# Altium PCB RaspberryHatBoard.PcbDoc
Units mm, origin at the board's own origin, x right, y up, seen from the top; angles counter-clockwise.
Board outline 85 x 56 mm, 4 copper layers (Top Layer, Layer 1, Layer 2, Bottom Layer), stack 1.272 mm thick; 1 components, 0 nets, 48 pads, 0 vias.
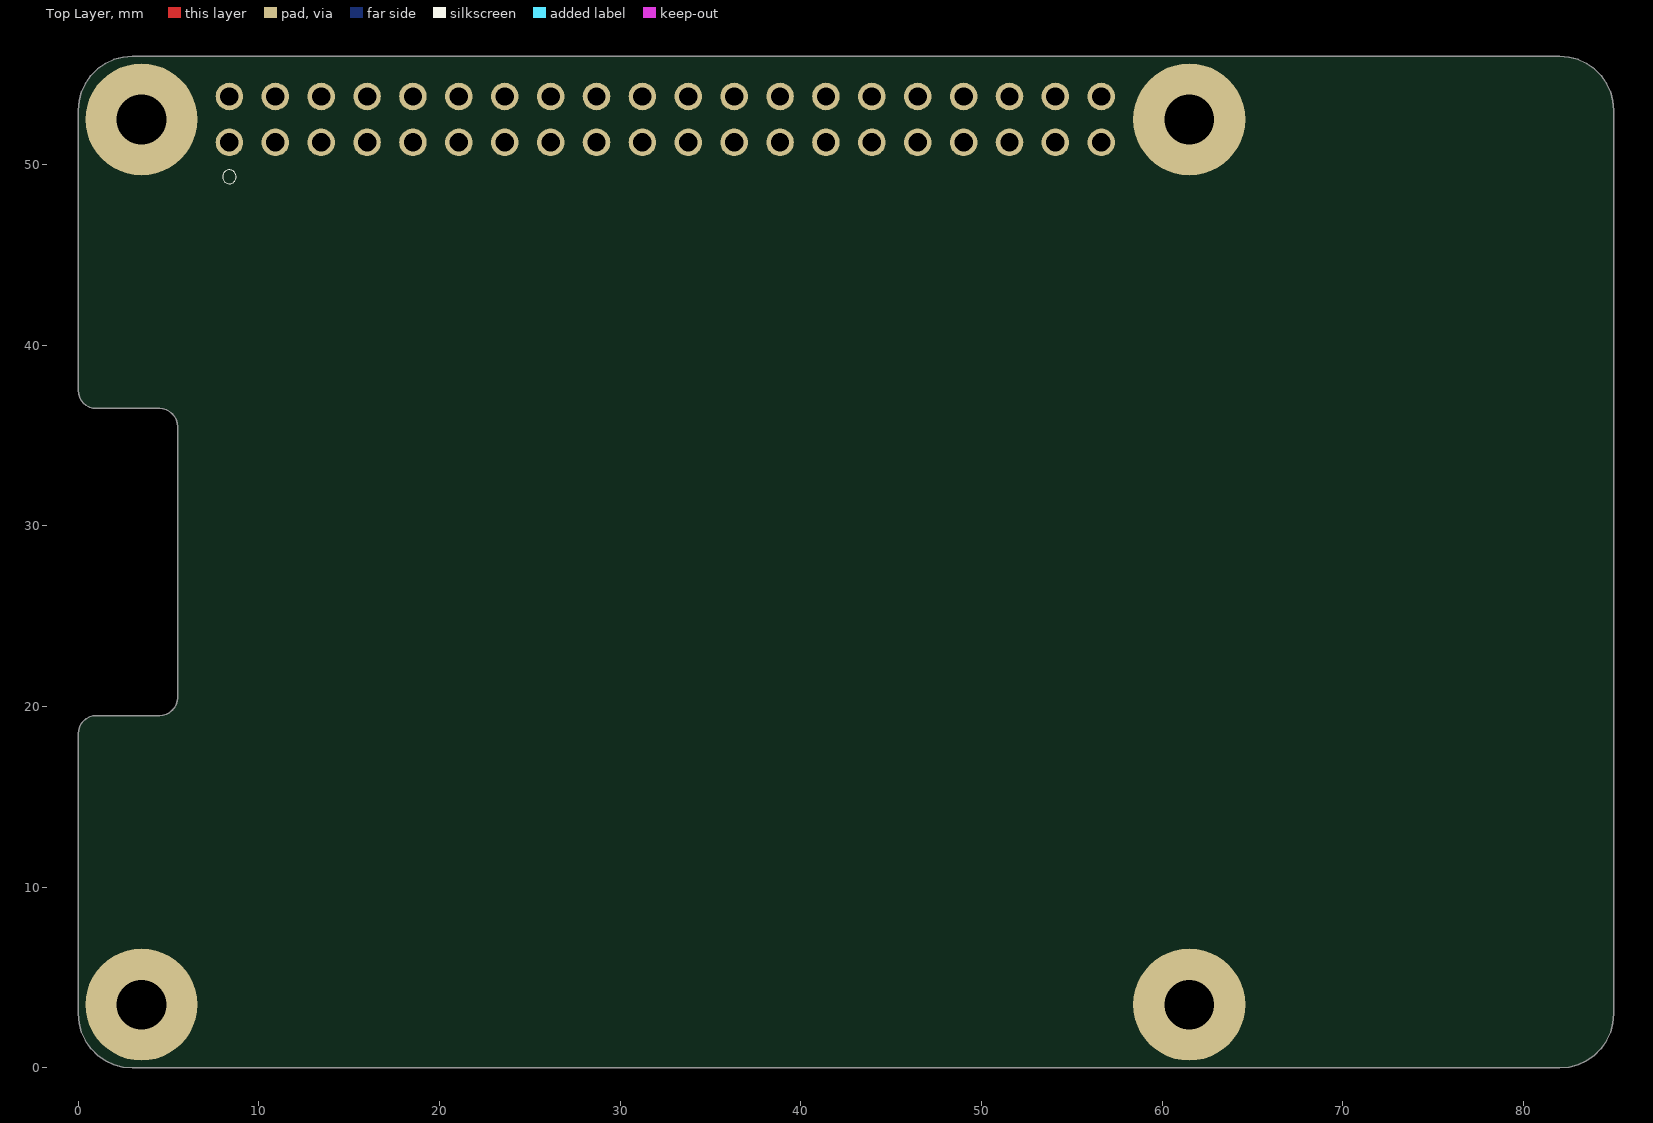
[diagram p0: Top Layer view]
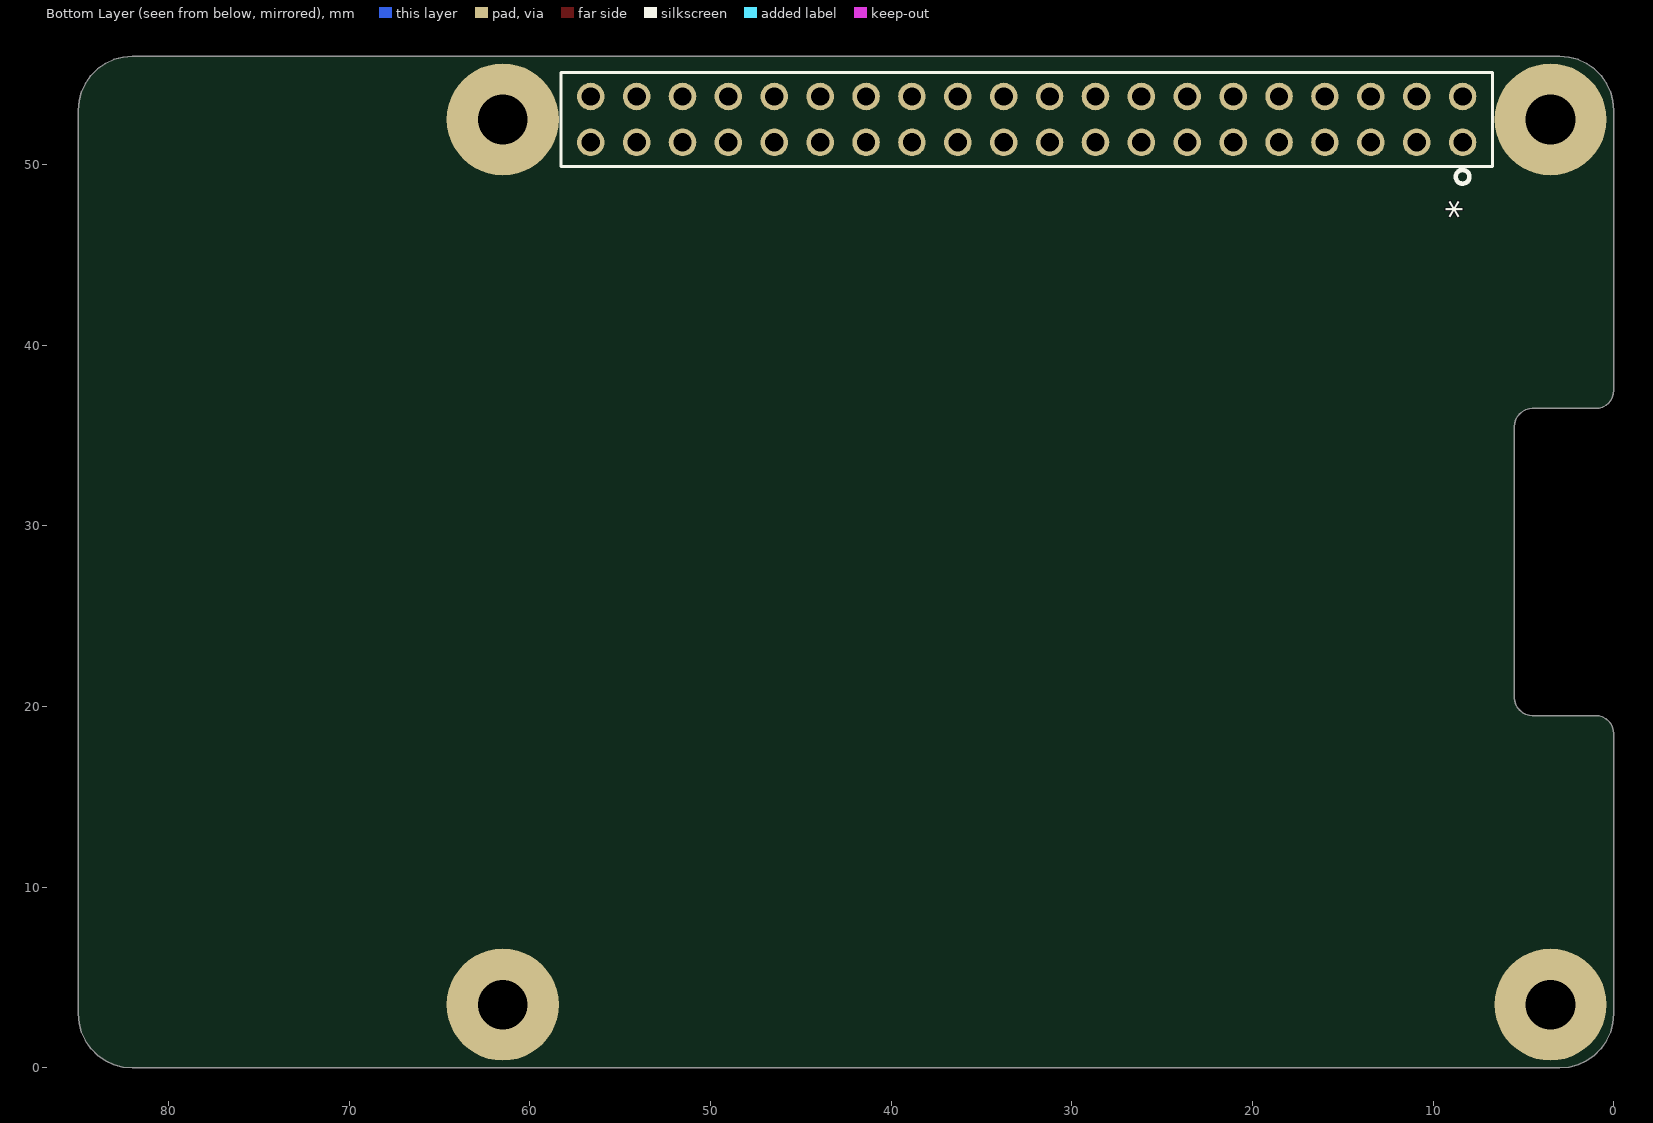
[diagram p1: Bottom Layer view, seen from below]
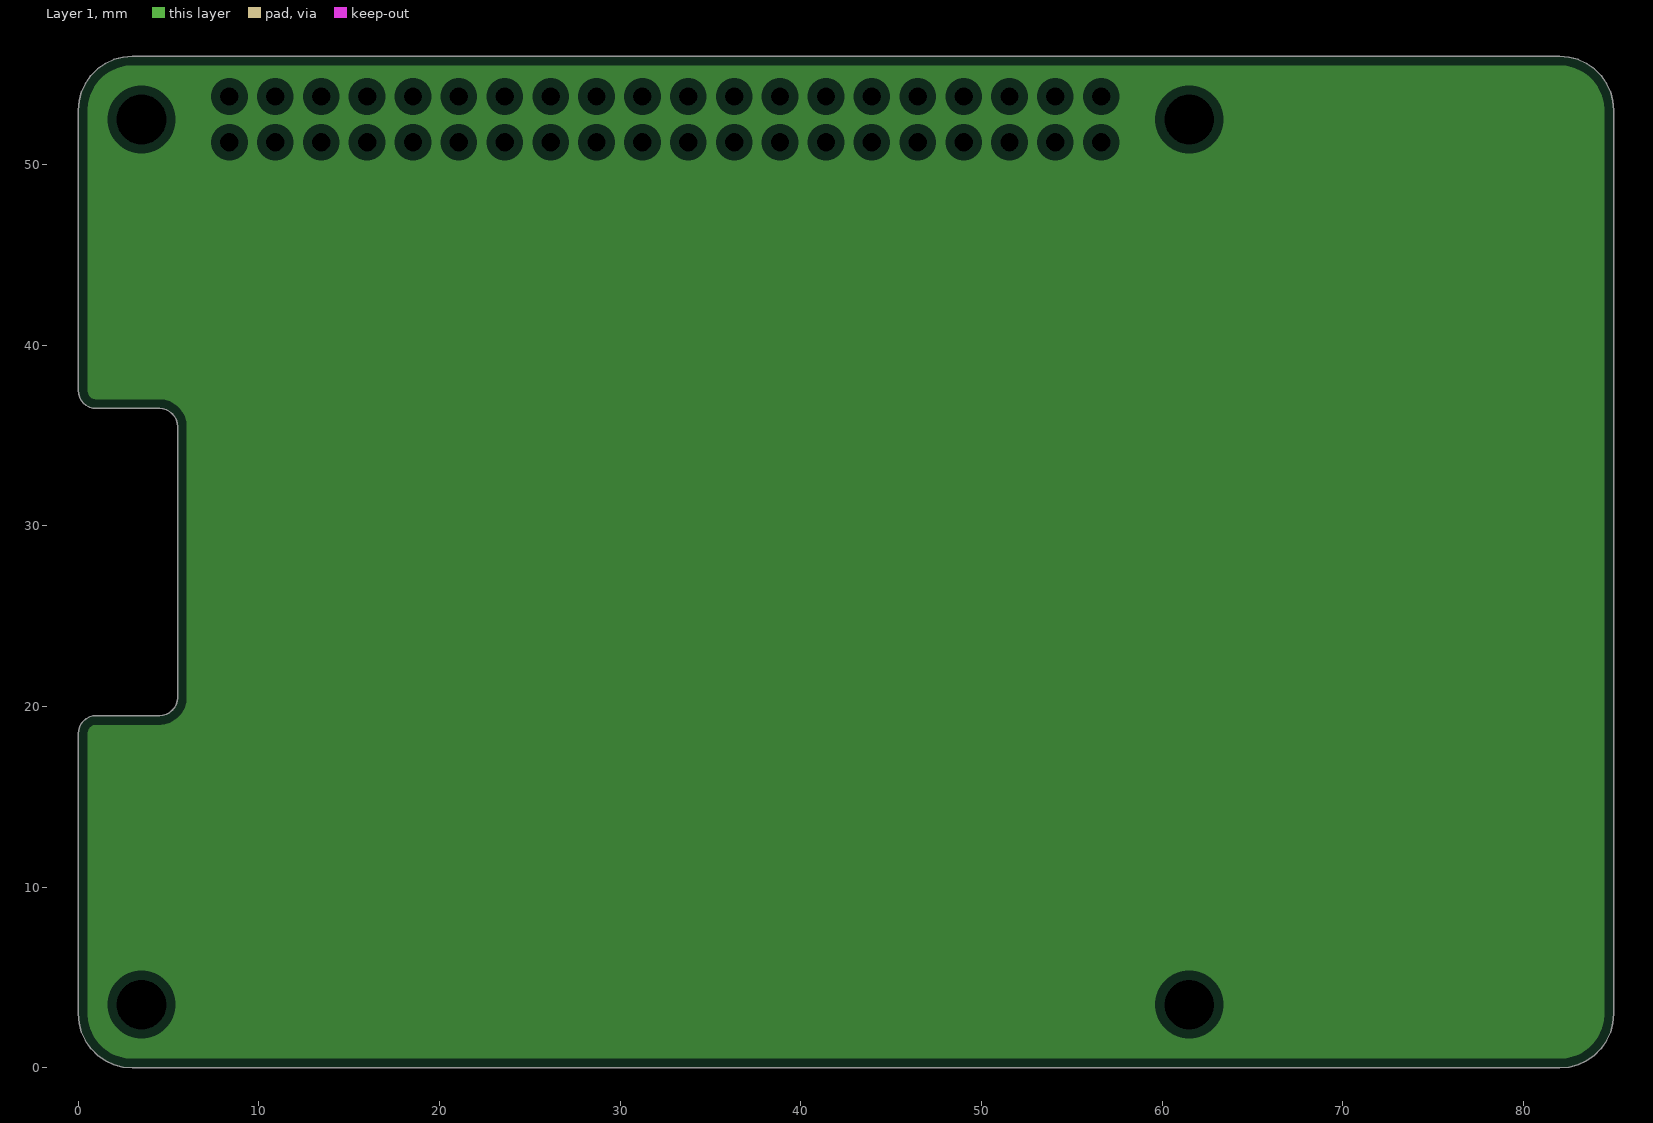
[diagram p2: Layer 1, clearances drawn from the general rule]
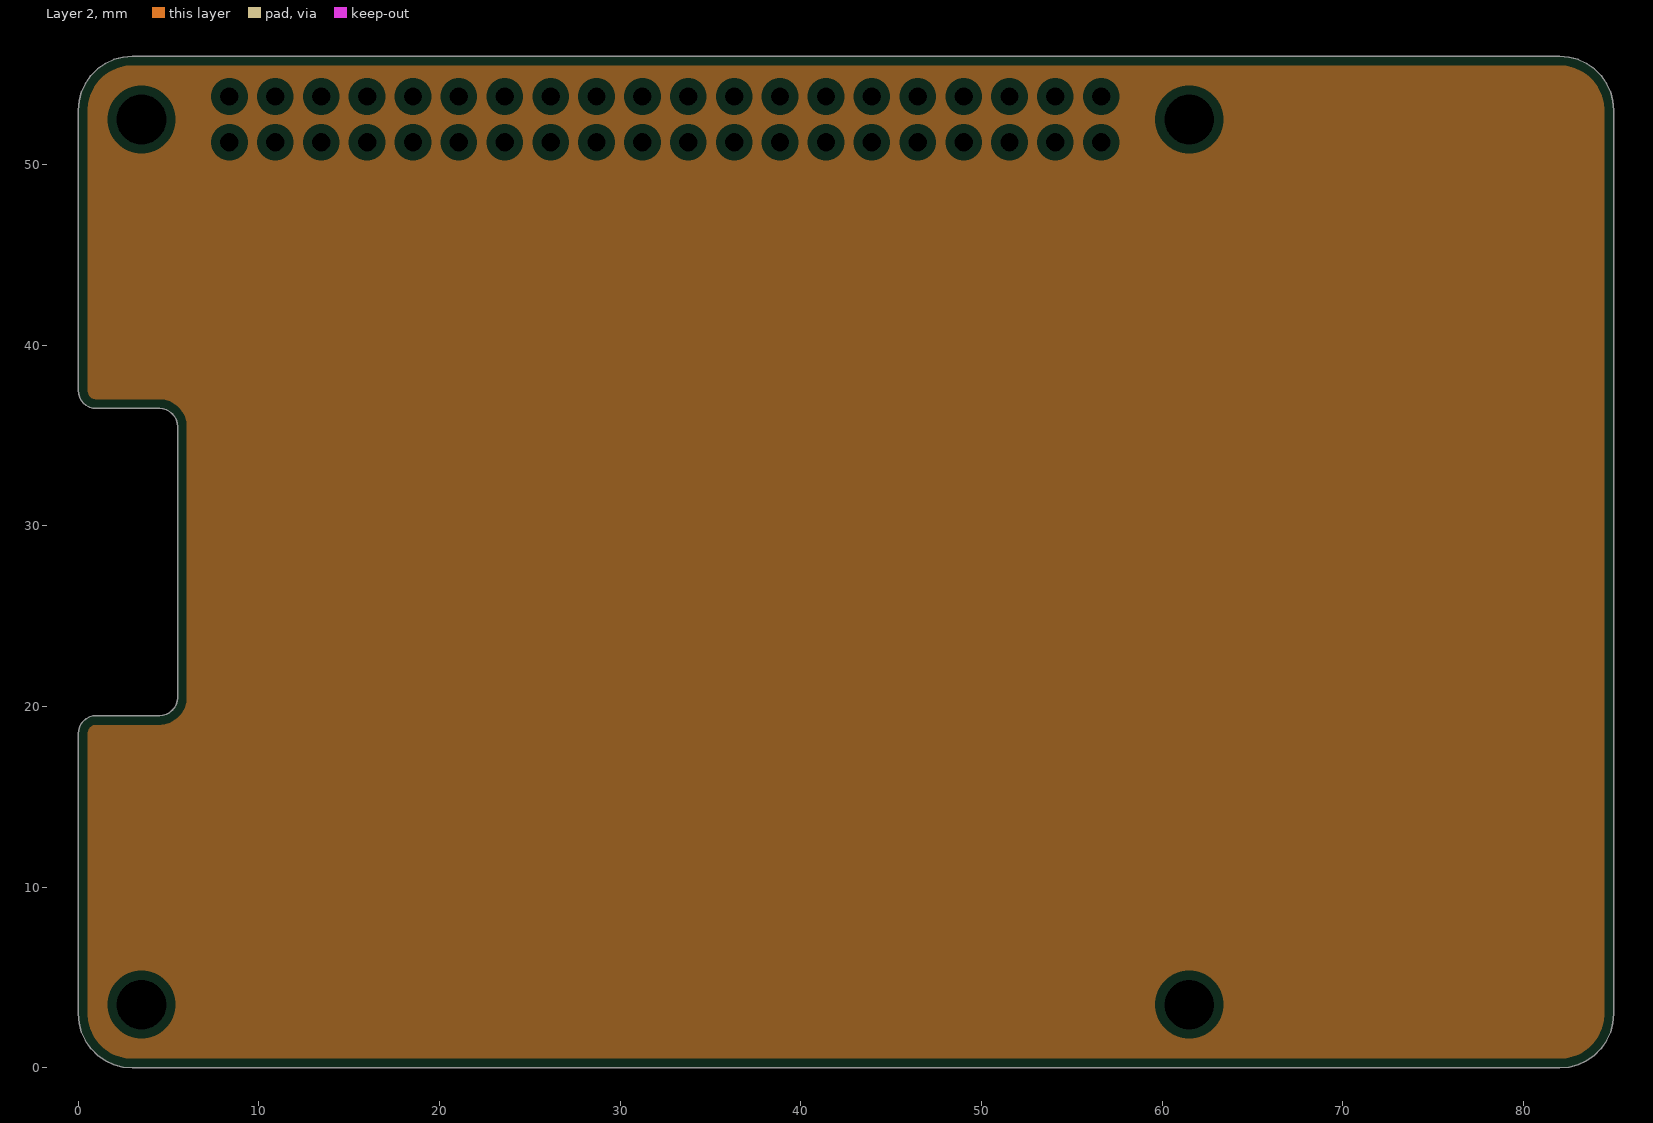
[diagram p3: Layer 2, clearances drawn from the general rule]

## Layer stack, top to bottom
Top Solder: solder mask 0.0102, Solder Resist, Dk 3.8
Top Layer: signal copper 0.035
Dielectric 2: prepreg 0.0711, PP-006, Dk 4.4
Layer 1: plane copper 0.03
Dielectric 1: dielectric 1, FR-4, Dk 4.6
Layer 2: plane copper 0.03
Dielectric 3: prepreg 0.0711, PP-006, Dk 4.4
Bottom Layer: signal copper 0.035
Bottom Solder: solder mask 0.0102, Solder Resist, Dk 3.8

## Board outline
4.5,36.5 1,36.5 0.805,36.519 0.617,36.576 0.444,36.669 0.293,36.793 0.169,36.944 0.076,37.117 0.019,37.305 0,37.5 0,53 0.046,53.521 0.181,54.026 0.402,54.5 0.702,54.928 1.072,55.298 1.5,55.598 1.974,55.819 2.479,55.954 3,56 82,56 82.521,55.954 83.026,55.819 83.5,55.598 83.928,55.298 84.298,54.928 84.598,54.5 84.819,54.026 84.954,53.521 85,53 85,3 84.954,2.479 84.819,1.974 84.598,1.5 84.298,1.072 83.928,0.702 83.5,0.402 83.026,0.181 82.521,0.046 82,0 3,0 2.479,0.046 1.974,0.181 1.5,0.402 1.072,0.702 0.702,1.072 0.402,1.5 0.181,1.974 0.046,2.479 0,3 0,18.5 0.019,18.695 0.076,18.883 0.169,19.056 0.293,19.207 0.444,19.331 0.617,19.424 0.805,19.481 1,19.5 4.5,19.5 4.695,19.519 4.883,19.576 5.056,19.669 5.207,19.793 5.331,19.944 5.424,20.117 5.481,20.305 5.5,20.5 5.5,35.5 5.481,35.695 5.424,35.883 5.331,36.056 5.207,36.207 5.056,36.331 4.883,36.424 4.695,36.481

## Design rules (kind name [scope] priority, off if disabled: settings)
BoardOutlineClearance [All] p1: gap=1 ignorepadtopadclearanceinfootprint=FALSE
Clearance [All] p1: gap=0.254 ignorepadtopadclearanceinfootprint=FALSE
PlaneClearance [All] p1: clearance=0.508
PlaneConnect [All] p1: planeconnectstyle=Relief reliefexpansion=0.508 reliefentries=4 reliefconductorwidth=0.254 reliefairgap=0.254
PolygonConnect [All] p1: connectstyle=Relief reliefconductorwidth=0.254 reliefentries=4 polygonreliefangle="90 Angle" airgapwidth=0.254
RoutingVias [All] p1: holewidth=0.711 width=1.27 viastyle="Through Hole" minholewidth=0.711 minwidth=1.27 maxholewidth=0.711 maxwidth=1.27
SolderMaskExpansion [All] p1: expansion=0.102 istentingtop=FALSE
Width [All] p1: maxlimit=0.254 minlimit=0.254 preferedwidth=0.254
28 further rules are at their usual default settings.

## Components (designator, comment, footprint, x,y, rotation, side; value= is the part's Value field where it differs from the comment)
* "Pi Hat Header" CONN_ESQ-120-33-T-D 8.37,51.23 r0 bottom locked

## Footprints (in the part's own frame and the unit in brackets; to place one, negate y for a bottom-side part, rotate by r counter-clockwise, add the part's x,y. Pads: shape width x height; smd on the part's side, far side on the other; paste and mask are expansions set on the pad)
CONN_ESQ-120-33-T-D [mil]
  round 60 hole 40 paste-99999 mask+0: 1(0,0) 2(0,-100) 3(100,0) 4(100,-100) 5(200,0) 6(200,-100) 7(300,0) 8(300,-100) 9(400,0) 10(400,-100) 11(500,0) 12(500,-100) 13(600,0) 14(600,-100) 15(700,0) 16(700,-100) 17(800,0) 18(800,-100) 19(900,0) 20(900,-100) 21(1000,0) 22(1000,-100) 23(1100,0) 24(1100,-100) 25(1200,0) 26(1200,-100) 27(1300,0) 28(1300,-100) 29(1400,0) 30(1400,-100) 31(1500,0) 32(1500,-100) 33(1600,0) 34(1600,-100) 35(1700,0) 36(1700,-100) 37(1800,0) 38(1800,-100) 39(1900,0) 40(1900,-100)
  silkscreen extent -65,-152 1965,90, body extent -60,-150 1960,50, height 636

## Free pads (board coordinates)
  round 6.2 hole 2.75 unplated: 0(3.5,3.5) 0(3.5,52.5) 0(61.5,3.5) 0(61.5,52.5)
  round 2.7 hole 2.7: 1(3.5,3.5) 1(3.5,52.5) 1(61.5,3.5) 1(61.5,52.5)

## Nets (pads, with @x,y where several pads share a name; then routed paths per layer and width w, separated by ;. In a path a pad name is that pad's centre, name@x,y a point inside that pad or via, vN(x,y) a via of type N, cw(c..) or ccw(c..) an arc to the next point about the centre after c; other vN are vias at no path point)
pads on no net: *.1 *.2 *.3 *.4 *.5 *.6 *.7 *.8 *.9 *.10 *.11 *.12 *.13 *.14 *.15 *.16 *.17 *.18 *.19 *.20 *.21 *.22 *.23 *.24 *.25 *.26 *.27 *.28 *.29 *.30 *.31 *.32 *.33 *.34 *.35 *.36 *.37 *.38 *.39 *.40

## Polygon pours and split planes (outlines as drawn)
no net on Layer 1 (split plane): 82.432,55.45 82.851,55.338 83.244,55.154 83.599,54.906 83.906,54.599 84.154,54.244 84.338,53.851 84.45,53.432 84.49,52.978 84.49,3.022 84.45,2.568 84.338,2.149 84.154,1.756 83.906,1.401 83.599,1.094 83.244,0.846 82.851,0.662 82.432,0.55 81.978,0.51 3.022,0.51 2.568,0.55 2.149,0.662 1.756,0.846 1.401,1.094 1.094,1.401 0.846,1.756 0.662,2.149 0.55,2.568 0.51,3.022 0.51,18.475 0.522,18.595 0.55,18.686 0.595,18.771 0.656,18.844 0.729,18.905 0.814,18.95 0.905,18.978 1.025,18.99 4.5,18.99 4.525,18.992 4.55,18.992 4.745,19.011 4.843,19.031 5.031,19.088 5.123,19.126 5.296,19.218 5.324,19.237 5.379,19.274 5.531,19.398 5.602,19.469 5.726,19.621 5.752,19.659 5.782,19.704 5.874,19.877 5.912,19.969 5.969,20.157 5.989,20.255 6.008,20.45 6.008,20.475 6.01,20.5 6.01,35.5 6.008,35.525 6.008,35.55 5.989,35.745 5.969,35.843 5.912,36.031 5.888,36.09 5.874,36.123 5.782,36.296 5.747,36.348 5.726,36.379 5.602,36.531 5.531,36.602 5.379,36.726 5.324,36.763 5.296,36.782 5.123,36.874 5.031,36.912 4.843,36.969 4.745,36.989 4.55,37.008 4.525,37.008 4.5,37.01 1.025,37.01 0.905,37.022 0.814,37.05 0.729,37.095 0.656,37.156 0.595,37.229 0.55,37.314 0.522,37.405 0.51,37.525 0.51,52.978 0.55,53.432 0.662,53.851 0.846,54.244 1.094,54.599 1.401,54.906 1.756,55.154 2.149,55.338 2.568,55.45 3.022,55.49 81.978,55.49
no net on Layer 2 (split plane): 82.432,55.45 82.851,55.338 83.244,55.154 83.599,54.906 83.906,54.599 84.154,54.244 84.338,53.851 84.45,53.432 84.49,52.978 84.49,3.022 84.45,2.568 84.338,2.149 84.154,1.756 83.906,1.401 83.599,1.094 83.244,0.846 82.851,0.662 82.432,0.55 81.978,0.51 3.022,0.51 2.568,0.55 2.149,0.662 1.756,0.846 1.401,1.094 1.094,1.401 0.846,1.756 0.662,2.149 0.55,2.568 0.51,3.022 0.51,18.475 0.522,18.595 0.55,18.686 0.595,18.771 0.656,18.844 0.729,18.905 0.814,18.95 0.905,18.978 1.025,18.99 4.5,18.99 4.525,18.992 4.55,18.992 4.745,19.011 4.843,19.031 5.031,19.088 5.123,19.126 5.296,19.218 5.324,19.237 5.379,19.274 5.531,19.398 5.602,19.469 5.726,19.621 5.752,19.659 5.782,19.704 5.874,19.877 5.912,19.969 5.969,20.157 5.989,20.255 6.008,20.45 6.008,20.475 6.01,20.5 6.01,35.5 6.008,35.525 6.008,35.55 5.989,35.745 5.969,35.843 5.912,36.031 5.888,36.09 5.874,36.123 5.782,36.296 5.747,36.348 5.726,36.379 5.602,36.531 5.531,36.602 5.379,36.726 5.324,36.763 5.296,36.782 5.123,36.874 5.031,36.912 4.843,36.969 4.745,36.989 4.55,37.008 4.525,37.008 4.5,37.01 1.025,37.01 0.905,37.022 0.814,37.05 0.729,37.095 0.656,37.156 0.595,37.229 0.55,37.314 0.522,37.405 0.51,37.525 0.51,52.978 0.55,53.432 0.662,53.851 0.846,54.244 1.094,54.599 1.401,54.906 1.756,55.154 2.149,55.338 2.568,55.45 3.022,55.49 81.978,55.49

## Silkscreen, mask and mechanical layers (free items; w line width, h text height)
Mechanical 1:
  lines w0.127: 7.87,50.73 8.87,51.73 ; 7.87,51.73 8.87,50.73 ; 32,52 33,53 ; 32,53 33,52 ; 0,3 ccw(c3,3) 3,0 62,0 ccw(c62,3) 65,3 65,53 ccw(c62,53) 62,56 3,56 ccw(c3,53) 0,53 0,37 ccw(c1,37) 1,36 4,36 cw(c4,35) 5,35 5,20 cw(c4,20) 4,19 1,19 ccw(c1,18) 0,18 0,3

## Dimensions
0,53 to 65,53 on Docu
62,56 to 62,0 on Docu
3,53 to 1,64 on Docu
5,35 to 0,30 on Docu
4,36 to 4,19 on Docu
4,36 to 3,56 on Docu
1,18 to 1,18 on Docu
0,3 to 3.5,3.5 on Docu
3,0 to 3.5,3.5 on Docu